# Altium PCB Fri3D_2026_02.PcbDoc (part 2 of 3)
Units mm, origin at the board's own origin, x right, y up, seen from the top; angles counter-clockwise.
Board outline 119 x 54 mm, 2 copper layers (Top Layer, Bottom Layer), stack 1.571 mm thick; 122 components, 92 nets, 487 pads, 187 vias.
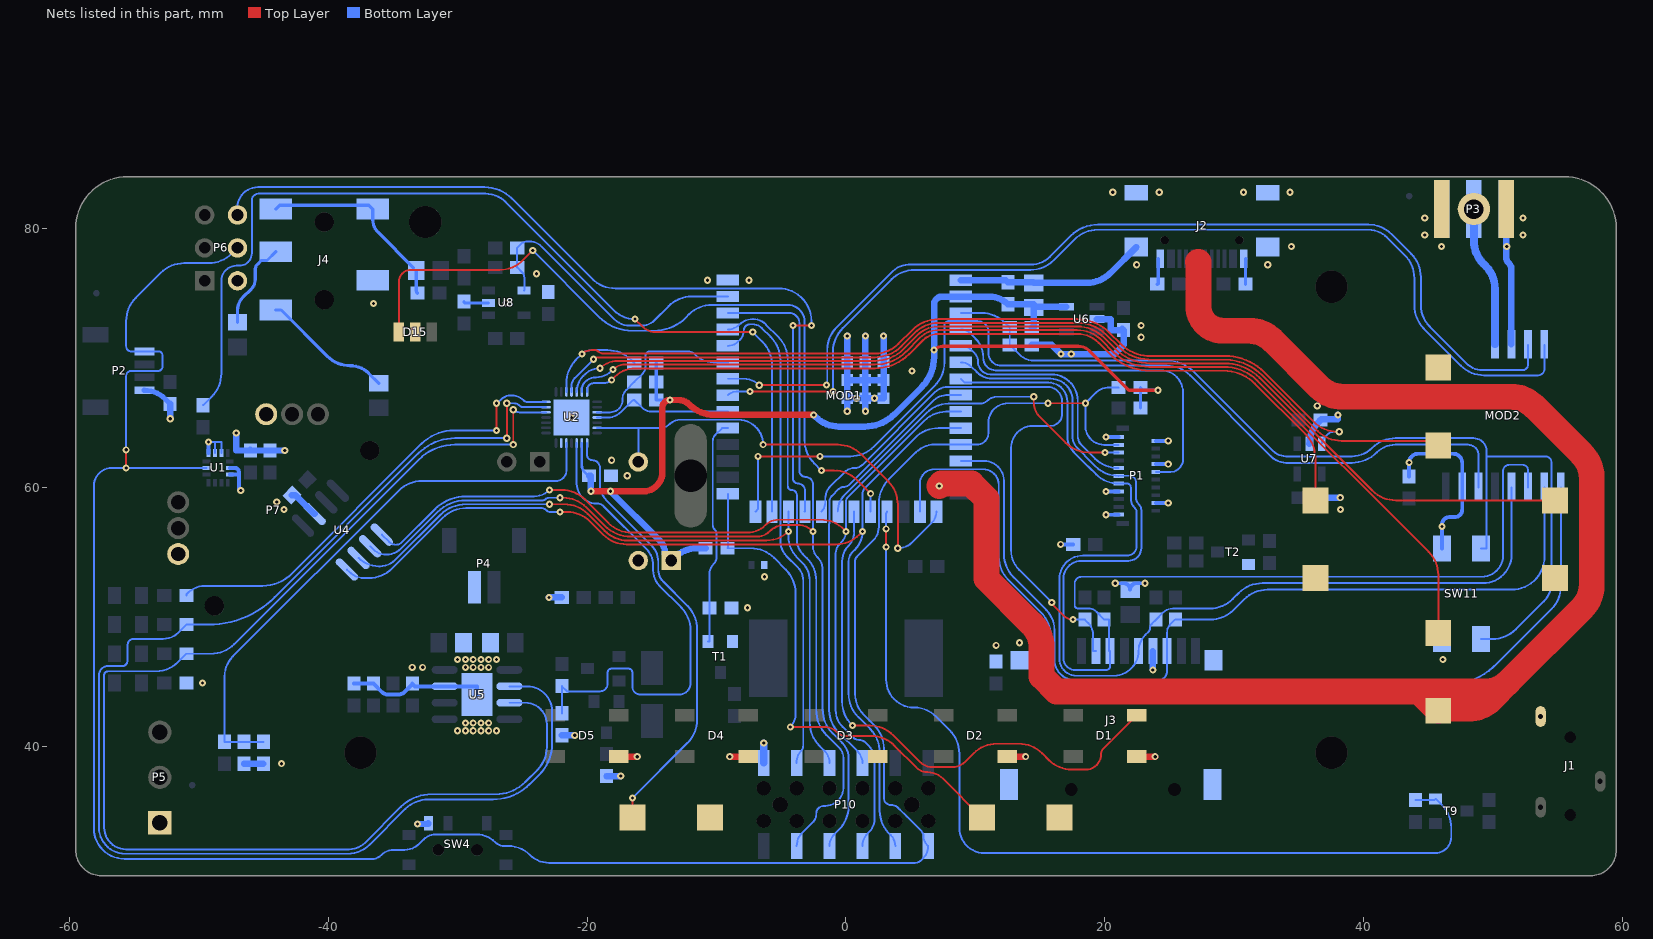
[diagram p2: the nets of this part, all layers, seen from the top]

## Via types
v1: diameter 0.55, hole 0.25, Top Layer to Bottom Layer, 187 vias

## Nets (pads, with @x,y where several pads share a name; then routed paths per layer and width w, separated by ;. In a path a pad name is that pad's centre, name@x,y a point inside that pad or via, vN(x,y) a via of type N, cw(c..) or ccw(c..) an arc to the next point about the centre after c; other vN are vias at no path point) (continued)
3V3_ESP: C9.1 C10.1 C14.1 MOD1.2 P8.1 R1.1 R7.1 R8.1 R9.1 R10.1 R50.1 R51.1 U2.2 U6.5 | length 92.7
  Top Layer w0.25: v1(6.8,70.617) cw(c7.472,69.945) 7.472,70.895 17.967,70.895 cw(c17.967,69.718) 18.8,70.551 21.851,67.5 v1(24.1,67.5)
  Top Layer w0.5: v1(-19.7,59.7) v1(-18.2,59.7) -15.657,59.7 ccw(c-15.657,61.177) -14.18,61.177 -14.18,66.17 cw(c-13.6,66.17) v1(-13.6,66.75) -12.945,66.75 cw(c-12.945,65.555) -12.1,66.4 ccw(c-10.169,68.331) -10.169,65.6 v1(-2.5,65.6)
  Bottom Layer w0.2: U2.2@-20.4,63.425 -20.4,61.705 ccw(c-19.628,61.705) -20.174,61.159 -19.961,60.946 ccw(c-19.85,61.056) C14.1@-19.85,60.9
  Bottom Layer w0.25: R1.1@-14.65,69.6 R51.1@-14.65,68.15 R50.1@-14.65,66.75 v1(-13.6,66.75) ; R9.1@22.75,66.134 R10.1@22.75,67.5 ; v1(24.1,67.5) 22.95,67.5 R10.1@22.85,67.6 ; R10.1@22.75,67.5 22.75,67.6 R10.1@22.75,67.7 R10.1@22.85,67.6 ; R10.1@22.75,67.5 R10.1@22.85,67.6
  Bottom Layer w0.5: C14.1@-19.85,60.9 -19.7,60.9 v1(-19.7,59.7) ; v1(-18.2,59.7) -14.354,55.854 cw(c-15.207,55) -14,55 ccw(c-13.638,55) -13.894,54.744 P8.1@-13.5,54.35 -13.294,54.556 cw(c-11.498,52.76) -11.498,55.3 R7.1@-10.85,55.3 ; v1(-2.5,65.6) -2.344,65.444 ccw(c-0.548,67.24) -0.548,64.7 1.448,64.7 ccw(c1.448,67.964) 3.756,65.656 5.844,67.744 ccw(c3.536,70.052) 6.8,70.052 v1(6.8,70.617) 6.8,74.1 cw(c7.44,74.1) 7.44,74.74 MOD1.2@8.875,74.74 11.075,74.74 cw(c11.075,72.725) C9.1@12.5,74.15 14.5,74.15 C10.1@14.5,73.95 ; R8.1@14.35,72.35 14.5,72.35 C10.1@14.5,73.9 C10.1@14.5,73.95 ; U6.5@17.025,73.95 C10.1@14.5,73.95
AIN0: R40.1 R41.2 R42.2 U2.5 | length 43.6
  Bottom Layer w0.15: R41.2@-45,40.35 -48,40.35 -48,45.389 cw(c-45.801,45.389) -47.356,46.944 -34.544,59.756 cw(c-32.748,57.96) -32.748,60.5 -22.4,60.5 ccw(c-22.4,61.3) -21.6,61.3 U2.5@-21.6,63.425
AIN1: U2.6
ANT: MOD2.9 P3.1 pad.1 | length 10.9
  Bottom Layer w0.6: pad.1@48.5,81.5 48.5,79.052 ccw(c51.04,79.052) 49.244,77.256 cw(c47.632,75.346) 50.131,75.346 MOD2.9@50.131,71.05
AUX.PWR: R1.2 U2.17 U7.3 | length 72.1
  Top Layer w0.15: v1(-20.4,70.3) cw(c-19.676,69.576) -19.676,70.6 -19.379,70.6 cw(c-19.379,70.259) -19.138,70.5 ccw(c-18.755,70.883) -18.755,70.341 -13.229,70.341 2.251,70.341 ccw(c2.251,72.881) 4.047,71.085 5.115,72.153 cw(c7.138,70.131) 7.138,72.991 17.848,72.991 cw(c17.848,69.464) 20.342,71.958 21.215,71.085 ccw(c23.468,73.339) 21.455,70.868 ; 21.456,70.867 ccw(c23.502,73.417) 23.03,70.182 ; 23.031,70.182 ccw(c23.468,73.339) 23.468,70.152 29.268,70.152 cw(c29.267,65.852) 32.307,68.893 36.156,65.044 ccw(c37.952,66.84) 37.952,64.3 v1(38.1,64.3)
  Bottom Layer w0.15: U2.17@-21.6,67.375 -21.6,68.048 cw(c-19.06,68.048) -20.856,69.844 v1(-20.4,70.3) cw(c-19.676,69.576) -19.676,70.6 -18.402,70.6 cw(c-18.402,68.06) -16.606,69.856 R1.2@-16.35,69.6 ; U7.3@36.75,63.375 cw(c37.414,63.375) 36.944,63.844 37.2,64.1 cw(c37.683,63.617) 37.683,64.3 v1(38.1,64.3)
BAT.MON: R12.2 R17.1 U2.3 | length 38
  Bottom Layer w0.15: R17.1@-21.95,42.55 R12.2@-21.95,44.65 -21.55,44.25 -18.991,44.25 ccw(c-18.991,44.827) -18.413,44.827 -18.413,45.7 cw(c-18.113,45.7) -18.113,46 -16.8,46 cw(c-16.8,45.7) -16.5,45.7 -16.5,44.6 ccw(c-15.9,44.6) -15.9,44 -12.895,44 ccw(c-12.895,44.895) -12,44.895 -12,48.948 ccw(c-14.54,48.948) -12.744,50.744 -14.409,52.409 cw(c-13.225,53.593) -14.9,53.593 -14.9,53.985 ccw(c-16.688,53.985) -15.424,55.25 -18.693,58.519 ccw(c-19.25,57.962) -19.25,58.75 cw(c-19.25,60.3) -20.8,60.3 U2.3@-20.8,63.425
C\H\R\G\: R24.2 U2.12 U5.7 | length 99.9
  Top Layer w0.15: v1(-25.7,63.3) v1(-25.7,66)
  Bottom Layer w0.15: U5.7@-26,43.365 -24.765,43.365 cw(c-24.765,41.709) -23.109,41.709 -23.109,39.923 cw(c-25.542,39.923) -23.822,38.202 -24.794,37.23 cw(c-27.04,39.476) -27.04,36.3 -32.017,36.3 ccw(c-32.017,32.96) -34.378,35.322 -37.134,32.566 cw(c-38.389,33.82) -38.389,32.046 -55.614,32.046 cw(c-55.614,33.732) -57.3,33.732 -57.3,45.5 cw(c-57,45.5) -57,45.8 -53.29,45.8 ccw(c-53.29,48.19) -51.6,46.5 R24.2@-50.95,47.15 -49.052,47.15 ccw(c-49.052,49.69) -47.256,47.894 -33,62.149 cw(c-30.223,59.373) -30.222,63.3 v1(-25.7,63.3) ; v1(-25.7,66) ccw(c-25.217,66.483) -25.217,65.8 U2.12@-23.175,65.8
CHG.S\T\D\B\Y\: R23.2 U2.13 U5.6 | length 103.9
  Top Layer w0.15: v1(-26.2,63.8) v1(-26.2,66.5)
  Bottom Layer w0.15: v1(-26.2,63.8) -30.19,63.8 ccw(c-30.19,59.794) -33.023,62.626 -44.127,51.523 cw(c-49.252,56.648) -49.252,49.4 R23.2@-50.95,49.4 -51.565,48.785 cw(c-52.736,49.956) -52.736,48.3 -55,48.3 ccw(c-55,47.8) -55.5,47.8 -55.5,46.6 cw(c-55.9,46.6) -55.9,46.2 -57,46.2 ccw(c-57,45.5) -57.7,45.5 -57.7,33.732 ccw(c-55.668,33.732) -55.668,31.7 -38.5,31.7 ccw(c-38.5,34.114) -36.793,32.407 -34.037,35.163 cw(c-32.258,33.384) -32.258,35.9 -27.281,35.9 ccw(c-27.281,39.959) -24.411,37.089 -23.68,37.82 ccw(c-26.048,40.187) -22.7,40.187 -22.7,42.7 ccw(c-24.635,42.7) -24.635,44.635 U5.6@-26,44.635 ; v1(-26.2,66.5) -25.683,66.5 cw(c-25.683,65.817) -25.2,66.3 ccw(c-24.959,66.541) -24.959,66.2 U2.13@-23.175,66.2
DEBUG_LED: R13.2 U2.14 | length 35.2
  Top Layer w0.15: v1(-27,64.4) v1(-27,66.5)
  Bottom Layer w0.15: R13.2@-50.95,51.65 -50.927,51.768 cw(c-49.295,50.136) -50.178,52.268 cw(c-49.513,50.663) -49.513,52.4 -46.752,52.4 -45.052,52.4 ccw(c-45.052,55.544) -42.829,53.321 -32.796,63.353 cw(c-30.269,60.826) -30.269,64.4 v1(-27,64.4) ; v1(-27,66.5) -26.925,66.5 -26.626,66.799 cw(c-25.905,66.078) -25.905,67.097 -25.808,67.097 cw(c-25.808,65.813) -24.9,66.721 ccw(c-24.607,67.014) -24.607,66.6 U2.14@-23.175,66.6
ESP.IO0: MOD1.27 R7.2 SW6.1 | length 39.1
  Top Layer w0.15: v1(-4.3,41.5) -1.666,41.5 cw(c-1.666,40.134) -0.7,41.1 ccw(c0.024,41.824) 0.024,40.8 1.948,40.8 cw(c1.948,38.26) 3.744,40.056 5.446,38.354 ccw(c6.3,39.207) 6.3,38 cw(c6.3,36.31) 7.495,37.505 SW6.1@10.5,34.5
  Bottom Layer w0.15: MOD1.27@-9.125,59.5 -9.125,55.36 cw(c-9.21,55.36) R7.2@-9.15,55.3 -7.352,55.3 cw(c-7.352,52.76) -5.556,54.556 -4.644,53.644 cw(c-6.44,51.848) -3.9,51.848 -3.9,42.466 cw(c-5.266,42.466) v1(-4.3,41.5)
ESP.IO1: MOD1.39 R33.1 R34.1 U8.4 | length 23.3
  Bottom Layer w0.15: U8.4@-24.875,75.2 ccw(c-24.935,75.26) -24.85,75.26 -24.85,76.2 ccw(c-25.454,76.2) -25.027,76.627 R34.1@-25.4,77 R33.1@-25.4,78.5 -25.112,78.788 cw(c-24.6,78.275) -24.6,79 -24.466,79 cw(c-24.466,77.634) -23.5,78.6 -17.888,72.988 ccw(c-16.71,74.166) -16.71,72.5 -15.752,72.5 ccw(c-15.752,73.833) -14.81,72.89 -13.704,73.996 cw(c-11.908,72.2) -11.908,74.74 MOD1.39@-9.125,74.74
ESP.IO2: MOD1.38 P10.6 U4.2 | length 85.6
  Top Layer w0.15: v1(-22.1,59.2) -21.852,59.2 cw(c-21.852,56.66) -20.056,58.456 -18.644,57.044 ccw(c-16.606,59.081) -16.606,56.2 -6.866,56.2 ccw(c-6.866,57.566) -5.9,56.6 cw(c-4.693,55.393) -4.693,57.1 -3.755,57.1 cw(c-3.755,55.393) v1(-2.548,56.6)
  Bottom Layer w0.15: U4.2@-36.754,55.452 -36.528,55.226 ccw(c-35.5,56.253) -35.5,54.8 ccw(c-35.5,56.373) -34.388,55.261 -31.568,58.08 cw(c-29.348,55.86) -29.348,59 -23.441,59 ccw(c-23.441,59.341) -23.2,59.1 cw(c-22.959,58.859) -22.959,59.2 v1(-22.1,59.2) ; MOD1.38@-9.125,73.47 -4.386,73.47 cw(c-4.386,72.684) -3.6,72.684 -3.6,61.3 ccw(c-3.1,61.3) -3.1,60.8 cw(c-3.1,60.248) -2.548,60.248 v1(-2.548,56.6) -2.548,55.44 ccw(c-1.36,55.44) -2.2,54.6 cw(c-3.166,53.634) -1.8,53.634 -1.8,42.844 ccw(c0.798,42.844) -1.039,41.007 -0.292,40.26 cw(c-1.481,39.071) 0.2,39.071 0.2,35.352 cw(c-2.34,35.352) -0.544,33.556 -0.895,33.205 ccw(c0.01,32.3) P10.6@-1.27,32.3
ESP.IO3: MOD1.15 TP1.1 U2.27 | length 37.1
  Top Layer w0.15: v1(-6.4,63.3) -0.631,63.3 cw(c-0.631,60.76) 1.165,62.556 3.256,60.465 cw(c1.46,58.669) 4,58.669 v1(4,55.296)
  Bottom Layer w0.15: U2.27@-19.225,64.6 -16.04,64.6 ; TP1.1@-16.04,61.97 -16.04,64.6 ; v1(-6.4,63.3) ccw(c-8.325,63.3) -8.293,65.225 -12.826,65.225 ccw(c-12.826,64.131) -13.599,64.905 cw(c-14.334,65.64) -14.334,64.6 -16.04,64.6 ; v1(4,55.296) ccw(c4,56.898) 5.133,55.765 6.626,57.257 ccw(c5.758,58.125) MOD1.15@6.985,58.125
ESP.IO4: MOD1.4 P1.12 | length 27.8
  Bottom Layer w0.15: MOD1.4@8.875,72.2 cw(c8.875,71.174) 9.601,71.899 10.004,71.496 cw(c8.566,70.058) 10.6,70.058 10.6,70 ccw(c11.554,70) 11.554,69.046 24.321,69.046 cw(c24.321,67.339) 26.028,67.339 26.028,62.162 cw(c25.061,62.162) 25.061,61.195 P1.12@23.928,61.195
ESP.IO5: MOD1.5 P1.13 | length 18.4
  Bottom Layer w0.15: MOD1.5@8.875,70.93 cw(c8.875,69.735) 9.72,70.58 9.917,70.383 cw(c9.234,69.7) 10.2,69.7 ccw(c11.174,69.7) 11.174,68.726 15.866,68.726 cw(c15.866,66.692) 17.9,66.692 17.9,63.945 ccw(c18.827,63.945) 18.171,63.29 19.227,62.234 ccw(c21.023,64.03) 21.023,61.49 P1.13@21.053,61.49
ESP.IO6: J3.3 MOD1.6 MOD2.3 P1.11 R20.2 | length 95.4
  Bottom Layer w0.15: MOD1.6@8.875,69.66 cw(c8.875,68.537) 9.669,69.331 10.085,68.915 ccw(c11.329,70.161) 11.329,68.4 15.792,68.4 cw(c15.792,66.692) 17.5,66.692 17.5,63.945 ccw(c18.827,63.945) 17.889,63.007 18.977,61.919 ; 18.979,61.916 19.265,61.63 ccw(c21.053,63.417) P1.11@21.053,60.89 ; P1.11@21.053,60.9 21.9,60.9 cw(c21.9,60.4) 22.4,60.4 22.4,59.211 ; 22.4,59.211 ccw(c23.105,59.211) 22.606,58.712 cw(c22.118,58.224) 22.809,58.224 22.809,55.323 cw(c21.817,55.323) 21.817,54.331 18.195,54.331 ccw(c18.195,52.929) 16.794,52.929 16.794,46.806 ccw(c17.7,46.806) 17.7,45.9 20.1,45.9 ccw(c20.1,46.2) 20.4,46.2 J3.3@20.4,47.35 20.3,47.35 20.3,49.79 R20.2@19.945,49.79 19.349,50.387 ccw(c18.711,49.749) 18.711,50.651 17.896,50.651 cw(c17.896,50.879) 17.668,50.879 17.668,52.639 cw(c18.201,52.562) 18.201,53.1 49.11,53.1 ccw(c49.11,54.74) 50.75,54.74 50.75,61.25 cw(c51.25,61.25) 51.25,61.75 52.25,61.75 cw(c52.25,61.32) 52.68,61.32 MOD2.3@52.68,60
ESP.IO7: J3.5 MOD1.7 MOD2.4 P1.9 R18.2 | length 82.5
  Bottom Layer w0.15: MOD1.7@8.875,68.39 9.165,68.1 15.628,68.1 cw(c15.628,66.628) 17.1,66.628 17.1,63.945 ccw(c18.827,63.945) 17.606,62.724 18.728,61.601 ; 18.731,61.599 19.324,61.006 ccw(c21.053,62.734) P1.9@21.053,60.29 ; P1.9@21.053,60.3 21.7,60.3 cw(c21.7,60) 22,60 22,59.11 ccw(c22.927,59.11) 22.272,58.455 cw(c21.832,58.015) 22.454,58.015 22.454,55.468 cw(c21.717,55.468) 21.717,54.731 18.295,54.731 ccw(c18.295,52.929) 16.494,52.929 16.494,46.753 ccw(c17.797,46.753) 17.797,45.45 20.71,45.45 ccw(c20.71,47.251) 22.07,46.07 ccw(c20.789,47.35) J3.5@22.6,47.35 cw(c24.381,47.35) 23.122,48.609 23.367,48.855 ccw(c23.084,49.139) 23.485,49.139 cw(c23.946,49.139) R18.2@23.62,49.465 ; R18.2@23.62,49.465 R18.2@23.945,49.79 24.474,50.319 cw(c25.25,49.543) 25.25,50.641 28.088,50.641 ccw(c28.088,53.181) 29.884,51.384 30.356,51.856 cw(c32.152,50.06) 32.152,52.6 49.2,52.6 ccw(c49.2,54.81) 51.41,54.81 MOD2.4@51.41,60
ESP.IO8: J3.7 MOD1.12 MOD2.2 R19.2 | length 69.6
  Bottom Layer w0.15: MOD1.12@8.875,62.04 10.66,62.04 cw(c10.66,60.5) 12.2,60.5 12.2,54.852 ccw(c14.74,54.852) 12.944,53.056 15.456,50.544 cw(c13.901,48.989) 16.1,48.989 16.1,46.711 ccw(c17.711,46.711) 17.711,45.1 22.203,45.1 24.1,45.1 ccw(c24.1,45.8) 24.8,45.8 J3.7@24.8,47.35 24.8,48.785 cw(c25.768,48.785) 25.084,49.47 R19.2@25.375,49.761 ; R19.2@25.445,49.79 28.138,49.79 ccw(c28.138,52.33) 29.934,50.534 30.756,51.356 cw(c32.552,49.56) 32.552,52.1 51.41,52.1 ccw(c51.41,54.64) 53.95,54.64 MOD2.2@53.95,60
ESP.IO10: MOD1.18 R35.2 T9.2 | length 72.2
  Top Layer w0.15: v1(3.1,55.4) v1(3.1,56.8)
  Bottom Layer w0.15: v1(3.1,55.4) 3.1,45.15 ccw(c5.25,45.15) 5.25,43 cw(c5.25,40.586) 6.957,42.293 8.006,41.244 cw(c6.21,39.448) 8.75,39.448 8.75,33.715 ccw(c10.715,33.715) 10.715,31.75 45.5,31.75 ccw(c45.5,33) 46.75,33 46.75,33.698 ccw(c44.21,33.698) 46.006,35.494 T9.2@45.55,35.95 45.45,35.85 R35.2@44,35.85 ; v1(3.1,56.8) 3.1,57.944 cw(c3.356,57.944) MOD1.18@3.175,58.125
ESP.IO11: D15.1 MOD1.19 | length 57.7
  Top Layer w0.15: D15.1@-34.54,72 -34.54,75.86 cw(c-33.6,75.86) -33.6,76.8 -26.752,76.8 ccw(c-26.752,79.34) -24.956,77.544 v1(-24.2,78.3) ; v1(-1.9,61.3) -0.933,61.3 cw(c-0.933,58.76) 0.863,60.556 v1(1.905,59.514)
  Bottom Layer w0.15: v1(-24.2,78.3) -19.044,73.144 ccw(c-16.524,75.664) -16.524,72.1 -14.818,72.1 ccw(c-14.818,75.575) -12.144,73.356 cw(c-10.348,71.56) -10.348,74.1 -4.5,74.1 cw(c-4.5,72.8) -3.2,72.8 -3.2,63.652 ccw(c-0.66,63.652) -2.456,61.856 v1(-1.9,61.3) ; MOD1.19@1.905,58.125 v1(1.905,59.514)
ESP.IO12: D1.4 MOD1.20 | length 43.3
  Top Layer w0.15: v1(0.5,41.6) 1.848,41.6 cw(c1.848,39.06) 3.644,40.856 5.705,38.795 ccw(c6.659,39.75) 6.659,38.4 8.234,38.4 ccw(c8.234,39.766) 9.2,38.8 9.856,39.456 cw(c11.652,37.66) 11.652,40.2 13.348,40.2 cw(c13.348,37.66) 15.144,39.456 15.656,38.944 ccw(c17.452,40.74) 17.452,38.2 18.5,38.2 ccw(c18.5,39.4) 19.7,39.4 cw(c20.304,39.4) 19.877,39.827 D1.4@22.45,42.4
  Bottom Layer w0.15: v1(0.5,41.6) 0.444,41.656 cw(c2.24,43.452) -0.3,43.452 -0.3,54.293 cw(c1.407,54.293) 0.2,55.5 ccw(c-0.85,56.55) 0.635,56.55 MOD1.20@0.635,58.125
ESP.IO13: MOD1.21 P1.17 | length 27.8
  Top Layer w0.15: v1(14.5,67) 14.5,66.552 ccw(c16.038,66.552) 14.95,65.465 16.971,63.444 ccw(c18.767,65.24) 18.767,62.7 v1(20,62.7)
  Bottom Layer w0.15: MOD1.21@-0.635,58.125 cw(c1.222,58.125) -0.091,59.438 6.227,65.756 cw(c7.978,64.005) 7.916,66.481 10.349,66.481 ccw(c10.349,67.401) 11,66.75 cw(c11.604,66.146) 11.604,67 v1(14.5,67) ; v1(20,62.7) ccw(c20.024,62.724) 20.024,62.69 P1.17@21.053,62.69
ESP.IO14: J3.2 MOD1.22 R15.2 | length 49.3
  Top Layer w0.15: v1(15.896,51.112) 15.896,51.004 16.814,50.086 ccw(c17.527,50.799) v1(17.527,49.79)
  Bottom Layer w0.15: MOD1.22@-1.905,58.125 ccw(c-2.632,58.852) -1.604,58.852 -1.604,59.108 cw(c-0.184,59.108) -1.188,60.112 -0.154,61.146 cw(c0.7,60.293) 0.7,61.5 ccw(c0.7,62.259) 1.237,61.722 6.848,67.334 cw(c7.868,66.314) 7.868,67.756 15.568,67.756 cw(c15.568,66.624) 16.7,66.624 16.7,65.684 cw(c15.766,65.684) 15.766,64.75 14.45,64.75 ccw(c14.45,63.05) 12.75,63.05 12.75,55.147 ccw(c14.897,55.147) 13.379,53.629 v1(15.896,51.112) ; v1(17.527,49.79) R15.2@18.445,49.79 18.724,49.512 cw(c17.86,48.647) 19.009,49.064 cw(c17.86,48.647) 19.082,48.647 19.082,47.35 J3.2@19.3,47.35
ESP.IO15: MOD1.8 P10.7 | length 34.7
  Bottom Layer w0.15: P10.7@1.27,38.7 ccw(c-0.008,38.7) 0.896,39.604 -0.595,41.094 cw(c1.108,42.797) -1.3,42.797 -1.3,57.163 ccw(c-1.48,57.25) -1.28,57.25 -1.28,58.916 cw(c-0.697,58.916) -1.11,59.327 -0.548,59.889 cw(c-0.226,59.567) -0.226,60.023 ccw(c-0.226,60.771) 0.304,60.242 6.793,66.732 cw(c7.731,65.794) 7.731,67.12 MOD1.8@8.875,67.12
ESP.IO16: MOD1.9 P10.8 U4.1 | length 79.7
  Top Layer w0.15: v1(-22.9,59.8) -21.952,59.8 cw(c-21.952,57.26) -20.156,59.056 -18.419,57.319 ; -18.342,57.246 cw(c-16.623,59.115) -18.419,57.319 ; v1(0,56.6) -0.156,56.756 ccw(c-1.952,54.96) -1.952,57.5 -5.234,57.5 ccw(c-5.234,56.134) -6.2,57.1 cw(c-7.649,58.549) -7.649,56.5 -16.548,56.5 cw(c-16.548,59.04) -18.344,57.244 -18.419,57.319
  Bottom Layer w0.15: U4.1@-35.856,56.35 -35.29,55.784 ccw(c-34.772,56.302) -34.772,55.57 ccw(c-34.772,56.219) -34.313,55.76 -31.78,58.292 cw(c-29.348,55.86) -29.348,59.3 -24.107,59.3 ccw(c-24.107,61.007) v1(-22.9,59.8) ; P10.8@1.27,32.3 cw(c2.646,32.3) 1.673,33.273 1.8,33.4 ccw(c0.834,34.366) 2.2,34.366 2.2,38.959 ccw(c0.651,38.959) 1.746,40.054 1.512,40.288 ccw(c1,39.776) 1,40.5 cw(c1,41.128) 0.556,40.684 -0.26,41.5 cw(c1.044,42.804) -0.8,42.804 -0.8,54.9 cw(c0.224,54.9) -0.5,55.624 -0.336,55.788 ccw(c-1.149,56.6) v1(0,56.6) 0,58.948 cw(c0.353,58.948) 0.104,59.198 6.062,65.157 cw(c7.736,63.483) 7.736,65.85 MOD1.9@8.875,65.85
ESP.IO17: MOD1.10 P10.10 U4.4 | length 81.6
  Top Layer w0.15: v1(-22.1,58.1) -21.543,58.1 cw(c-21.543,55.581) -19.762,57.362 -18.744,56.344 ccw(c-16.948,58.14) -16.948,55.6 -0.775,55.6 ccw(c-0.775,58.14) 1.021,56.344 v1(1.277,56.6)
  Bottom Layer w0.15: U4.4@-38.55,53.656 -38.385,53.491 ccw(c-37.2,54.676) -37.2,53 -36.852,53 ccw(c-36.852,55.54) -35.056,53.744 -31.144,57.656 cw(c-29.348,55.86) -29.348,58.4 -23.583,58.4 cw(c-23.583,57.717) -23.1,58.2 ccw(c-22.859,58.441) -22.859,58.1 v1(-22.1,58.1) ; P10.10@3.81,32.3 ccw(c2.627,32.3) 3.464,33.136 cw(c5.129,35.04) 2.6,35.04 2.6,39.548 ccw(c0.06,39.548) 1.856,41.344 0.972,42.228 cw(c2.835,44.091) 0.2,44.091 0.2,54.282 cw(c1.213,54.282) 0.533,55.033 0.695,55.195 ccw(c-0.711,56.6) v1(1.277,56.6) 1.277,59.477 cw(c2.001,59.477) 1.489,59.989 5.336,63.836 cw(c7.132,62.04) 7.132,64.58 MOD1.10@8.875,64.58
ESP.IO21: MOD1.23 P6.6 | length 67.1
  Top Layer w0.15: v1(-4.1,72.5) v1(-2.669,72.5)
  Bottom Layer w0.15: P6.6@-47,81.04 -47,81.624 cw(c-45.438,81.624) -45.438,83.186 -27.909,83.186 cw(c-27.909,80.234) -25.822,82.322 -19.617,76.117 ; -19.55,76.05 -19.617,76.117 ; v1(-4.1,72.5) -4.1,60.7 ccw(c-3.7,60.7) -3.7,60.3 cw(c-3.7,59.775) -3.175,59.775 MOD1.23@-3.175,58.125 cw(c-3.175,58.15) MOD1.23@-3.2,58.15 ; v1(-2.669,72.5) -2.669,72.833 ccw(c-5.209,72.833) -5.209,75.373 -17.82,75.373 cw(c-17.82,77.913) -19.617,76.117
ESP.IO38: MOD1.31 R5.1 T1.1 | length 17.5
  Bottom Layer w0.15: T1.1@-10.65,48.1 -10.55,48.1 R5.1@-10.55,50.7 -10.55,53.255 cw(c-9.355,53.255) -10.2,54.1 ccw(c-10.683,54.583) -10,54.583 -10,56.389 ccw(c-10.511,56.389) -10.15,56.75 cw(c-9.807,57.093) -10.292,57.093 -10.292,63.576 cw(c-9.602,63.576) -10.09,64.063 -9.573,64.58 MOD1.31@-9.125,64.58
ESP.IO39: MOD1.32 R50.2 U2.25 | length 10.9
  Bottom Layer w0.15: U2.25@-19.225,65.4 -18.439,65.4 ccw(c-18.439,66.942) -17.348,65.852 -16.521,66.679 cw(c-16.35,66.509) R50.2@-16.35,66.75 -15.777,66.177 ccw(c-14.987,66.968) -14.987,65.85 MOD1.32@-9.125,65.85
ESP.IO40: MOD1.33 MOD2.12 | length 79.2
  Top Layer w0.15: v1(-7.425,67.4) v1(-1,67.4)
  Bottom Layer w0.15: MOD1.33@-9.125,67.12 cw(c-8.449,66.444) -8.449,67.4 v1(-7.425,67.4) ; v1(-1,67.4) -1,70.502 cw(c1.54,70.502) -0.256,72.298 3.502,76.056 cw(c5.298,74.26) 5.298,76.8 14.248,76.8 ccw(c14.248,79.34) 16.044,77.544 17.656,79.156 cw(c19.452,77.36) 19.452,79.9 40.351,79.9 cw(c40.351,77.851) 41.8,79.3 43.156,77.944 cw(c41.36,76.148) 43.9,76.148 43.9,74.052 ccw(c46.44,74.052) 44.644,72.256 47.498,69.402 ccw(c49.294,71.198) 49.294,68.658 53.458,68.658 ccw(c53.458,69.15) 53.95,69.15 MOD2.12@53.95,71
ESP.IO41: MOD1.34 MOD2.11 | length 77.4
  Top Layer w0.15: v1@-6.756,67.9 v1(-1.5,67.9)
  Bottom Layer w0.15: MOD1.34@-9.125,68.39 -7.898,68.39 cw(c-7.898,66.704) -6.706,67.896 v1(-6.7,67.89) ; v1(-1.5,67.9) -1.45,67.95 -1.45,70.633 cw(c0.957,70.633) -0.745,72.335 3.62,76.7 cw(c4.827,75.493) 4.827,77.2 14.269,77.2 ccw(c14.269,79.288) 15.746,77.812 17.373,79.439 cw(c19.452,77.36) 19.452,80.3 40.348,80.3 cw(c40.348,77.76) 42.144,79.556 43.656,78.044 cw(c41.86,76.248) 44.4,76.248 44.4,74.1 ccw(c46.814,74.1) 45.107,72.393 47.918,69.582 ccw(c49.184,70.848) 49.184,69.058 52.258,69.058 ccw(c52.258,69.48) 52.68,69.48 MOD2.11@52.68,71
ESP.IO42: MOD1.35 R51.2 U2.24 | length 13.4
  Bottom Layer w0.15: U2.24@-19.225,65.8 -18.216,65.8 ccw(c-18.216,66.763) -17.253,66.763 -17.253,66.868 cw(c-16.338,66.868) -16.985,67.515 R51.2@-16.35,68.15 -15.712,68.788 ccw(c-16.224,69.3) -15.5,69.3 -15.5,70.162 cw(c-15.161,70.162) -15.161,70.5 -12.183,70.5 cw(c-12.183,69.817) -11.7,70.3 -11.639,70.239 ccw(c-10.241,71.636) -10.241,69.66 MOD1.35@-9.125,69.66
ESP.IO43: MOD1.37 P10.4 | length 47.5
  Bottom Layer w0.15: MOD1.37@-9.125,72.2 ccw(c-9.125,73.467) -8.229,72.571 cw(c-7.194,71.536) -7.194,73 cw(c-7.194,71.567) -6.18,72.58 -5.244,71.644 cw(c-7.04,69.848) -4.5,69.848 -4.5,60.1 ccw(c-4.2,60.1) -4.2,59.8 cw(c-4.2,59.4) -3.8,59.4 -3.8,55.974 ccw(c-2.207,55.974) -3.333,54.848 -3.017,54.531 cw(c-4.749,52.8) -2.3,52.8 -2.3,42.834 ccw(c0.418,42.794) -1.504,40.872 -0.524,39.891 cw(c-1.305,39.11) -0.2,39.11 -0.2,36.8 cw(c-1.6,36.8) -1.6,35.4 -1.7,35.4 ccw(c-1.7,34.8) -2.3,34.8 -2.3,34.7 cw(c-3.024,34.7) -2.512,34.188 -3.393,33.307 ccw(c-2.386,32.3) P10.4@-3.81,32.3
ESP.IO44: MOD1.36 P10.3 | length 38.4
  Bottom Layer w0.15: MOD1.36@-9.125,70.93 ccw(c-9.125,72.028) -8.348,71.252 -8.183,71.417 ccw(c-8.866,72.1) -7.9,72.1 cw(c-7.4,72.1) -7.4,72.6 -7.224,72.6 cw(c-7.224,71.576) -6.5,72.3 -5.819,71.619 cw(c-7.615,69.823) -5.075,69.823 -5.075,55.846 ccw(c-3.454,55.846) -4.6,54.7 -3.724,53.824 cw(c-4.749,52.8) -3.3,52.8 -3.3,40.083 cw(c-3.983,40.083) -3.5,39.6 ccw(c-2.752,38.852) -3.81,38.852 P10.3@-3.81,38.7
ESP.IO45: MOD1.26 MOD2.6 | length 75.5
  Top Layer w0.15: v1(-6.8,62.4) v1(-2,62.4)
  Bottom Layer w0.15: MOD1.26@-6.985,58.125 -6.8,58.31 v1(-6.8,62.4) ; v1(-2,62.4) 0.348,62.4 ccw(c0.348,64.949) 2.15,63.147 6.853,67.85 ccw(c5.051,69.652) 7.6,69.652 7.6,72.5 cw(c7.941,72.5) 7.941,72.841 8.041,72.841 ; 7.942,72.837 cw(c8.041,71.8) 8.041,72.841 ; MOD2.6@48.87,60 48.87,62.46 ccw(c48.03,62.46) 48.03,63.3 42.449,63.3 ccw(c42.449,61.251) 41,62.7 cw(c39.069,64.631) 39.069,61.9 34,61.9 cw(c34,63.514) 32.859,62.373 26.575,68.656 ccw(c24.779,66.86) 24.779,69.4 12,69.4 cw(c12,70.4) 11,70.4 11,72.013 ccw(c10.172,72.013) 10.172,72.841 8.041,72.841
ESP.IO46: MOD1.16 MOD2.1 | length 76.2
  Bottom Layer w0.15: MOD1.16@5.715,58.125 5.715,60.3 cw(c6.815,60.3) 6.815,61.4 10.6,61.4 cw(c10.6,60.2) 11.8,60.2 11.8,54.652 ccw(c14.34,54.652) 12.544,52.856 15.07,50.33 cw(c13.308,48.568) 15.8,48.568 15.8,46.661 ccw(c17.761,46.661) 17.761,44.7 46.247,44.7 ; 46.248,44.7 ccw(c46.248,50.378) 50.263,46.363 54.476,50.576 ccw(c52.68,52.372) 55.22,52.372 MOD2.1@55.22,60
ESP.IO47: MOD1.24 P10.5 U4.3 | length 56.7
  Top Layer w0.15: v1(-22.9,58.7) -21.752,58.7 cw(c-21.752,56.16) -19.956,57.956 -18.644,56.644 ccw(c-16.848,58.44) -16.848,55.9 -6.135,55.9 ccw(c-6.135,58.29) v1(-4.445,56.6)
  Bottom Layer w0.15: U4.3@-37.652,54.554 ccw(c-36.073,56.133) -36.073,53.9 -36,53.9 ccw(c-36,55.531) -34.846,54.378 -31.356,57.868 cw(c-29.348,55.86) -29.348,58.7 v1(-22.9,58.7) ; MOD1.24@-4.445,58.125 v1(-4.445,56.6) -4.445,56.233 ccw(c-2.077,56.233) -3.751,54.559 -3.371,54.178 cw(c-4.749,52.8) -2.8,52.8 -2.8,41.852 ccw(c-0.26,41.852) -2.056,40.056 -1.673,39.673 cw(c-2.646,38.7) P10.5@-1.27,38.7
ESP.IO48: MOD1.25 R46.2 | length 75.3
  Top Layer w0.15: v1(-16.3,73) -15.7,72.4 ccw(c-14.734,73.366) -14.734,72 v1(-7.2,72)
  Bottom Layer w0.15: R46.2@-49.65,66.35 -48.994,67.006 ccw(c-50.79,68.802) -48.25,68.802 -48.25,75.953 cw(c-47.079,75.953) -47.079,77.123 -46.865,77.123 ccw(c-46.865,78.094) -45.894,78.094 -45.894,82.172 cw(c-45.38,82.172) -45.38,82.686 -27.846,82.686 cw(c-27.846,80.489) -26.293,82.043 -18.392,74.142 -17.922,73.672 ccw(c-16.3,75.294) v1(-16.3,73) ; v1(-7.2,72) -6.459,71.259 cw(c-8.255,69.463) -5.715,69.463 MOD1.25@-5.715,58.125
ESP.RESET: C8.1 MOD1.3 R8.2 SW11.1 | length 76.6
  Bottom Layer w0.15: MOD1.3@8.875,73.47 10.478,73.47 cw(c10.478,70.93) 12.274,72.726 R8.2@12.65,72.35 C8.1@12.65,71 13.024,70.626 13.367,70.283 ccw(c14.533,71.449) 14.533,69.8 24.741,69.8 cw(c24.741,66.767) 26.886,68.912 32.971,62.826 ccw(c34,63.855) 34,62.4 39.069,62.4 ccw(c39.069,64.631) 40.646,63.054 cw(c42.449,61.251) 42.449,63.8 48.483,63.8 cw(c48.483,62.802) 49.482,62.802 49.482,62.4 ; SW11.1@49.042,48.292 49.94,48.292 ccw(c49.94,50.832) 51.736,49.036 53.9,51.2 ccw(c52.451,52.649) 54.5,52.649 54.5,61.9 ccw(c54,61.9) 54,62.4 49.482,62.4 ; SW11.1@49.042,55.292 49.482,55.292 49.482,62.4
GAME.A: SW10.1 U2.19 | length 82.6
  Top Layer w0.15: v1(-19,69.2) cw(c-17.612,67.812) -17.612,69.775 2.261,69.775 ccw(c2.262,72.855) 4.44,70.677 5.516,71.753 cw(c7.138,70.131) 7.138,72.425 17.862,72.425 cw(c17.862,69.497) 19.932,71.567 20.798,70.701 ccw(c23.489,73.388) 23.489,69.585 29.236,69.585 cw(c29.235,65.746) 31.95,68.461 40.667,59.744 ccw(c42.463,61.54) 42.463,59 SW10.1@54.75,59
  Bottom Layer w0.15: U2.19@-20.8,67.375 cw(c-19.05,67.375) -20.287,68.613 -20.195,68.705 cw(c-19,67.51) v1(-19,69.2)
GAME.B: SW9.1 U2.20 | length 80.4
  Top Layer w0.15: v1(-18,69.1) cw(c-17.034,68.134) -17.034,69.5 -15.518,69.5 1.886,69.5 2.258,69.5 ; 2.258,69.5 ccw(c2.293,72.78) 4.632,70.48 4.637,70.486 5.71,71.559 cw(c7.138,70.131) 7.138,72.15 17.853,72.15 cw(c17.852,69.474) 19.745,71.365 20.653,70.457 ccw(c23.42,73.222) 23.42,69.31 29.2,69.31 cw(c29.2,65.661) 31.781,68.241 45.006,55.016 cw(c43.21,53.22) 45.75,53.22 SW9.1@45.75,48.75
  Bottom Layer w0.15: U2.20@-20.4,67.375 -20.4,67.617 cw(c-19.717,67.617) -20.2,68.1 -20.154,68.146 cw(c-19.3,67.293) -19.3,68.5 ccw(c-19.3,70.19) -18.105,68.995 v1(-18,69.1)
GAME.MENU: SW5.1 U2.1 | length 34.2
  Top Layer w0.15: SW5.1@-16.5,34.5 v1(-16.5,36)
  Bottom Layer w0.15: U2.1@-20,63.425 -20,62.5 ccw(c-19.6,62.5) -19.6,62.1 cw(c-19.6,61.5) -19,61.5 -19,60.234 ccw(c-17.229,60.234) -18.481,58.981 -15.047,55.547 cw(c-16.366,54.227) -14.5,54.227 -14.5,53.622 ccw(c-13.239,53.622) -14.131,52.731 -12.244,50.844 cw(c-14.04,49.048) -11.5,49.048 -11.5,42.052 cw(c-14.04,42.052) -12.244,40.256 v1(-16.5,36)
GAME.X: SW7.1 U2.18 | length 72.6
  Top Layer w0.15: v1(-19.5,69.9) cw(c-19.138,69.538) -19.138,70.05 2.224,70.05 ccw(c2.225,72.943) 4.271,70.898 5.321,71.947 cw(c7.138,70.131) 7.138,72.7 17.916,72.7 cw(c17.916,69.625) 20.046,71.842 21.098,70.813 ccw(c23.502,73.417) 23.356,69.876 ccw(c23.502,73.417) 23.359,69.876 28.946,69.86 29.349,69.86 ccw(c29.371,70.009) 29.366,69.859 ; 29.367,69.859 cw(c29.248,65.777) 32.135,68.665 36.456,64.344 ccw(c38.252,66.14) 38.252,63.6 44.905,63.6 cw(c44.905,62.405) SW7.1@45.75,63.25
  Bottom Layer w0.15: U2.18@-21.2,67.375 -21.2,67.817 cw(c-20.275,67.817) -20.929,68.471 v1(-19.5,69.9)
GAME.Y: SW8.1 U2.21 | length 65.2
  Top Layer w0.15: v1(-18.1,68.3) -17.855,68.545 cw(c-16.274,66.965) -16.274,69.2 1.772,69.2 2.227,69.2 ccw(c2.227,72.94) 4.871,70.295 5.922,71.346 cw(c7.138,70.131) 7.138,71.85 17.872,71.85 cw(c17.872,69.522) 19.518,71.168 20.393,70.293 ccw(c23.489,73.389) 23.489,69.01 29.174,69.01 cw(c29.174,65.593) 31.591,68.009 35.506,64.094 cw(c33.71,62.298) 36.25,62.298 SW8.1@36.25,59
  Bottom Layer w0.15: U2.21@-20,67.375 -20,67.548 cw(c-19.5,67.548) -19.5,68.048 -18.709,68.048 ccw(c-18.709,68.909) v1(-18.1,68.3)
GND: C1.2 C2.2 C4.2 C5.2 C6.2 C8.2 C9.2 C10.2 C11.2 C12.2 C13.2 C14.2 C15.2 C16.2 C17.2 C18.2 C20.2 C21.2 C22.2 D1.3 D2.3 D3.3 D4.3 D5.3 D15.2 J1.2 J2.A1 J2.A12 J2.B1 J2.B12 J2.MH1 J2.MH2 J2.MH3 J2.MH4 J3.6 J3.G1 J3.G2 J3.G3 J3.G4 J4.2 MOD1.1 MOD1.40 MOD1.41 MOD2.7 MOD2.10 P1.1 P1.4 P1.7 P1.14 P1.20 P1.21 P2.1 P3.2 P4.1 P5.1 P6.2 P7.3 P7.6 P8.2 P10.1 R5.2 R16.2 R17.2 R22.2 R25.2 R26.2 R27.2 R29.2 R32.2 R37.2 R38.2 R41.1 R42.1 SW4.3 SW5.2 SW6.2 SW7.2 SW8.2 SW9.2 SW10.2 SW11.2 T1.2 T2.2 U1.1 U1.2 U1.3 U1.6 U1.7 U2.29 U4.6 U5.3 U5.9 U6.2 U7.2 U8.2 | length 259.2
  Top Layer w0.5: D5.3@-17.55,39.2 v1(-16.121,39.2) ; v1(-8.979,39.2) D4.3@-7.55,39.2 ; D2.3@12.45,39.2 v1(13.879,39.2) ; D1.3@22.45,39.2 v1(23.879,39.2)
  Top Layer w2: v1(7.2,60.1) 7.39,60.29 9.681,60.29 10.853,59.119 10.853,52.947 14.356,49.444 cw(c12.56,47.648) 15.1,47.648 15.1,45.397 16.272,44.225 44.275,44.225 ; 27.2,77.4 cw(c27.2,77.376) 27.224,77.376 27.224,73.993 ccw(c29.117,73.993) 29.117,72.1 31.148,72.1 cw(c31.148,69.56) 32.944,71.356 36.556,67.744 ccw(c38.352,69.54) 38.352,67 51.348,67 cw(c51.348,64.46) 53.144,66.256 56.856,62.544 cw(c55.06,60.748) 57.6,60.748 57.6,52.452 cw(c55.06,52.452) 56.856,50.656 51.169,44.969 ; SW9.2@45.75,42.75 44.275,44.225 ; SW9.2@45.75,42.9 48.048,42.9 ccw(c48.048,45.44) 49.844,43.644 51.169,44.969 ; 44.275,44.225 49.373,44.225 ccw(c49.373,46.765) 51.169,44.969
  Bottom Layer w0.15: v1(-49.25,63.5) -48.75,63.5 ; U1.2@-48.75,62.65 -48.75,63.5 ; U1.3@-48.25,62.65 -48.25,63.5 -48.75,63.5
  Bottom Layer w0.25: R32.2@-29.5,74.35 ccw(c-29.4,74.35) -29.4,74.25 U8.2@-27.625,74.25 ; R38.2@24.05,75.7 ccw(c24.05,75.775) 24.125,75.775 J2.A1@24.125,77.652 ; R37.2@30.85,75.7 30.85,77.628 cw(c30.875,77.628) J2.A12@30.875,77.652
  Bottom Layer w0.3: U1.1@-49.25,62.65 v1(-49.25,63.5) ; U1.7@-47.6,61 -46.9,61 ; U1.6@-47.6,61.5 -47.2,61.5 cw(c-47.2,61.2) -46.9,61.2 -46.9,61 ; v1(-46.75,59.75) cw(c-46.75,59.9) -46.9,59.9 -46.9,61 ; R25.2@-38,44.85 R26.2@-36.5,44.85 -35.826,44.177 ccw(c-35.4,44.603) -35.4,44 -34.583,44 ccw(c-34.583,44.683) -34.1,44.2 -33.535,44.765 ccw(c-33.621,44.85) R22.2@-33.5,44.85 -33.285,44.635 U5.3@-31,44.635 -28.5,44.635 U5.9@-28.5,44 ; v1(16.583,55.6) C4.2@17.55,55.6 ; v1(20.085,57.89) P1.1@21.053,57.89 ; v1(20.085,59.69) P1.7@21.053,59.69 ; v1(20.085,63.89) P1.21@21.053,63.89 ; v1(20.8,52.6) 21.436,52.6 cw(c21.436,52.091) C1.2@21.946,52.091 cw(c22.455,52.091) 22.455,52.6 v1(23.1,52.6) ; P1.4@23.928,58.795 v1(24.895,58.795) ; P1.14@23.928,61.795 v1(24.895,61.795) ; P1.20@23.928,63.595 v1(24.895,63.595) ; C13.2@43.5,60.85 v1(43.5,61.917) cw(c44.183,61.917) 44.183,62.6 46.9,62.6 cw(c46.9,61.9) 47.6,61.9 47.6,58.3 cw(c47,58.3) 47,57.7 46.6,57.7 ccw(c46.6,57.142) 46.042,57.142 SW11.2@46.042,55.292
  Bottom Layer w0.4: P2.1@-54.2,67.5 cw(c-54.2,65.206) -52.578,66.828 C15.2@-52.2,66.45
  Bottom Layer w0.5: v1(-52.2,65.3) C15.2@-52.2,66.45 ; v1(-47.1,64.2) -47.1,62.85 C2.2@-46,62.85 ; R42.1@-46.5,38.65 R41.1@-45,38.65 ; C2.2@-46,62.9 C2.2@-46,62.85 ; v1(-43.35,62.85) C11.2@-44.5,62.85 C2.2@-46,62.85 ; C6.2@-42.801,59.399 -42.524,59.399 -41.073,57.948 U4.6@-41.046,57.948 ; v1(-33.1,34) -32.3,34 ccw(c-32.3,34.05) SW4.3@-32.25,34.05 ; v1(-22.95,51.5) R29.2@-21.95,51.5 ; R17.2@-21.95,40.85 v1(-20.95,40.85) ; C5.2@-18.5,37.7 v1(-17.4,37.7) ; v1(0.1,65.88) MOD1.41@0.1,66.89 ; v1(0.1,71.7) MOD1.41@0.1,69.69 MOD1.41@0.1,68.29 ; v1(1.5,65.88) MOD1.41@1.5,66.89 ; v1(1.5,71.7) MOD1.41@1.5,69.69 MOD1.41@1.5,68.29 ; v1(2.9,71.7) MOD1.41@2.9,69.69 MOD1.41@2.9,68.29 ; MOD1.1@8.875,76.01 12.34,76.01 C9.2@12.5,75.85 14.45,75.85 C10.2@14.5,75.8 18.61,75.8 ccw(c18.61,78.34) 20.406,76.544 J2.MH1@22.43,78.568 ; C8.2@14.35,71 15.9,71 v1(16.6,70.3) 20.75,70.3 21.45,71 C18.2@21.45,72.15 ; U6.2@19.375,73 20.446,73 20.446,72.15 C18.2@21.45,72.15 ; C18.2@21.344,72.256 C18.2@21.45,72.15 ; v1(23.7,45.9) J3.6@23.7,47.35 ; U7.2@35.8,63.375 cw(c38.154,63.375) 36.49,65.04 C20.2@36.65,65.2 36.707,65.257 38,65.257 v1(38,65.6) 37.99,65.59 v1@37.99,65.565 ; C21.2@36.65,59.2 v1@38.177,59.211 ; P3.2@51,81.5 51,77.783 ccw(c51.683,77.783) 51.2,77.3 cw(c50.714,76.814) 51.401,76.814 MOD2.10@51.401,71.05 ; MOD1.41@0.1,66.89 v1(0.8,66.89) MOD1.41@1.5,66.89 ; MOD1.41@0.1,66.89 MOD1.41@0.1,68.29 ; MOD1.41@0.1,68.29 MOD1.41@1.5,68.29 ; MOD1.41@1.5,66.89 v1(2.2,66.89) MOD1.41@2.9,66.89 MOD1.41@2.9,68.29 ; MOD1.41@1.5,66.89 MOD1.41@1.5,68.29 ; MOD1.41@1.5,68.29 MOD1.41@2.9,68.29
  Bottom Layer w0.55: P10.1@-6.35,38.7 v1(-6.35,40.25)
  other v1: -43.607,38.661 -30,41.2 -29.4,41.2 -28.8,41.2 -28.2,41.2 -27.6,41.2 -27,41.2 -29.4,41.8 -28.8,41.8 -28.2,41.8 -27.6,41.8 -49.7,44.9 -33.5,46.1 -32.7,46.1 -29.4,46.1 -28.8,46.1 -28.2,46.1 -27.6,46.1 -30,46.7 -29.4,46.7 -28.8,46.7 -28.2,46.7 -27.6,46.7 -27,46.7 46.1,46.7 11.6,47.8 13.4,48 -7.6,50.7 -6.3,53.1 46.042,56.978 -43.4,58.3 38.2,58.3 -43.966,58.866 38.177,59.205 -16.9,60.9 -18.1,62.1 -21.2,65.4 36.4,66.3 5.1,69 17.4,70.3 22.8,71.6 22.8,72.5 -36.5,74.2 -26.25,74.25 -10.7,76 -7.5,76 -23.9,76.5 22.45,77.2 32.575,77.2 34.4,78.6 46,78.6 51.04,78.6 44.7,79.5 52.3,79.5 44.7,80.8 52.3,80.8 20.6,82.8 24.2,82.8 30.7,82.8 34.3,82.8
HS.L: C24.1 J4.4 | length 10.1
  Bottom Layer w0.25: J4.4@-44.05,73.7 -43.634,73.7 -40.066,70.131 ccw(c-38.3,71.897) -38.3,69.4 cw(c-38.3,67.348) -36.849,68.799 C24.1@-36.1,68.05
HS.MIC: C23.1 J4.1 R30.2 | length 15.3
  Bottom Layer w0.25: J4.1@-44.05,81.5 -43.75,81.8 -36.85,81.8 J4.1@-36.55,81.5 -36.55,80.678 ccw(c-35.154,80.678) -36.141,79.691 C23.1@-33.415,76.965 ; C23.1@-33.2,76.75 -33.2,75.241 ccw(c-32.859,75.241) R30.2@-33.1,75
HS.R: C25.1 J4.3 | length 6.8
  Bottom Layer w0.25: C25.1@-47,72.75 -47,73.275 -47,73.671 cw(c-45.582,73.671) -46.586,74.672 -45.939,75.319 ccw(c-46.689,76.069) -45.629,76.069 -45.629,76.823 cw(c-45.028,76.823) -45.452,77.248 -45.175,77.525 -44.725,77.525 J4.3@-44.05,78.2
I2C.SCL: MOD1.11 P1.19 P2.4 P6.4 P10.12 R10.2 U1.13 | length 189.3
  Top Layer w0.15: v1(-55.6,61.5) v1(-55.6,62.9) ; v1(15.6,66.5) v1(18.5,66.5)
  Bottom Layer w0.146: 4.172,35.103 4.683,34.592
  Bottom Layer w0.15: v1(-55.6,62.9) -55.6,68.6 cw(c-55.2,68.6) -55.595,68.66 cw(c-55.2,68.6) -55.2,69 -53.12,69 ccw(c-53.12,69.32) -52.8,69.32 -52.8,70.2 ccw(c-53.1,70.2) -53.1,70.5 P2.4@-54.2,70.5 -55.2,70.5 cw(c-55.2,70.9) -55.6,70.9 -55.6,72.848 cw(c-53.06,72.848) -54.856,74.644 -52.928,76.572 cw(c-51.132,74.776) -51.132,77.316 -49.236,77.316 ccw(c-49.236,79.856) -47.44,78.06 P6.4@-47,78.5 ; U1.13@-49.4,61.5 v1(-55.6,61.5) -56.695,61.5 ccw(c-56.695,60.095) -58.1,60.095 -58.1,33.681 ccw(c-55.719,33.681) -55.719,31.3 -36.624,31.3 ccw(c-36.624,32.324) -35.9,31.6 cw(c-34.934,30.634) -34.934,32 -34.1,32 ccw(c-34.1,33.631) -32.946,32.478 -32.612,32.812 cw(c-31.676,31.876) -31.676,33.2 -28.549,33.2 cw(c-28.549,31.151) -27.1,32.6 -27.083,32.583 ccw(c-26.4,33.266) -26.4,32.3 -26.09,32.3 cw(c-26.09,29.91) -24.4,31.6 ccw(c-22.951,33.049) -22.951,31 5.317,31 ccw(c5.317,31.683) 5.8,31.2 5.961,31.361 ccw(c5.022,32.3) P10.12@6.35,32.3 6.278,32.372 cw(c7.009,33.103) 5.975,33.103 ccw(c5.501,33.103) 5.836,33.439 4.683,34.592 ; 4.172,35.103 4.047,35.228 ccw(c3.45,34.631) 3.45,35.475 cw(c3.45,35.997) 2.928,35.997 2.928,39.82 ccw(c0.388,39.82) 2.184,41.616 1.378,42.422 cw(c3.014,44.059) 0.7,44.059 0.7,54.307 cw(c1.166,54.307) 0.836,54.636 2.1,55.9 ccw(c1.044,56.956) 2.538,56.956 2.538,58.785 cw(c5.078,58.785) 3.282,60.582 5.4,62.7 cw(c6.873,61.227) 6.873,63.31 MOD1.11@8.875,63.31 10.116,63.31 ccw(c10.116,64.194) 11,64.194 11,64.993 cw(c12.507,64.993) 12.507,66.5 v1(15.6,66.5) ; R10.2@21.05,67.7 20.2,67.7 ccw(c20.2,66.493) 19.346,67.346 v1(18.5,66.5) 18.5,64.721 ccw(c19.931,64.721) 19.931,63.29 P1.19@21.053,63.29